# Altium PCB VOU_SOM_CV_V0.0.1.PcbDoc (part 3 of 4) (continued)
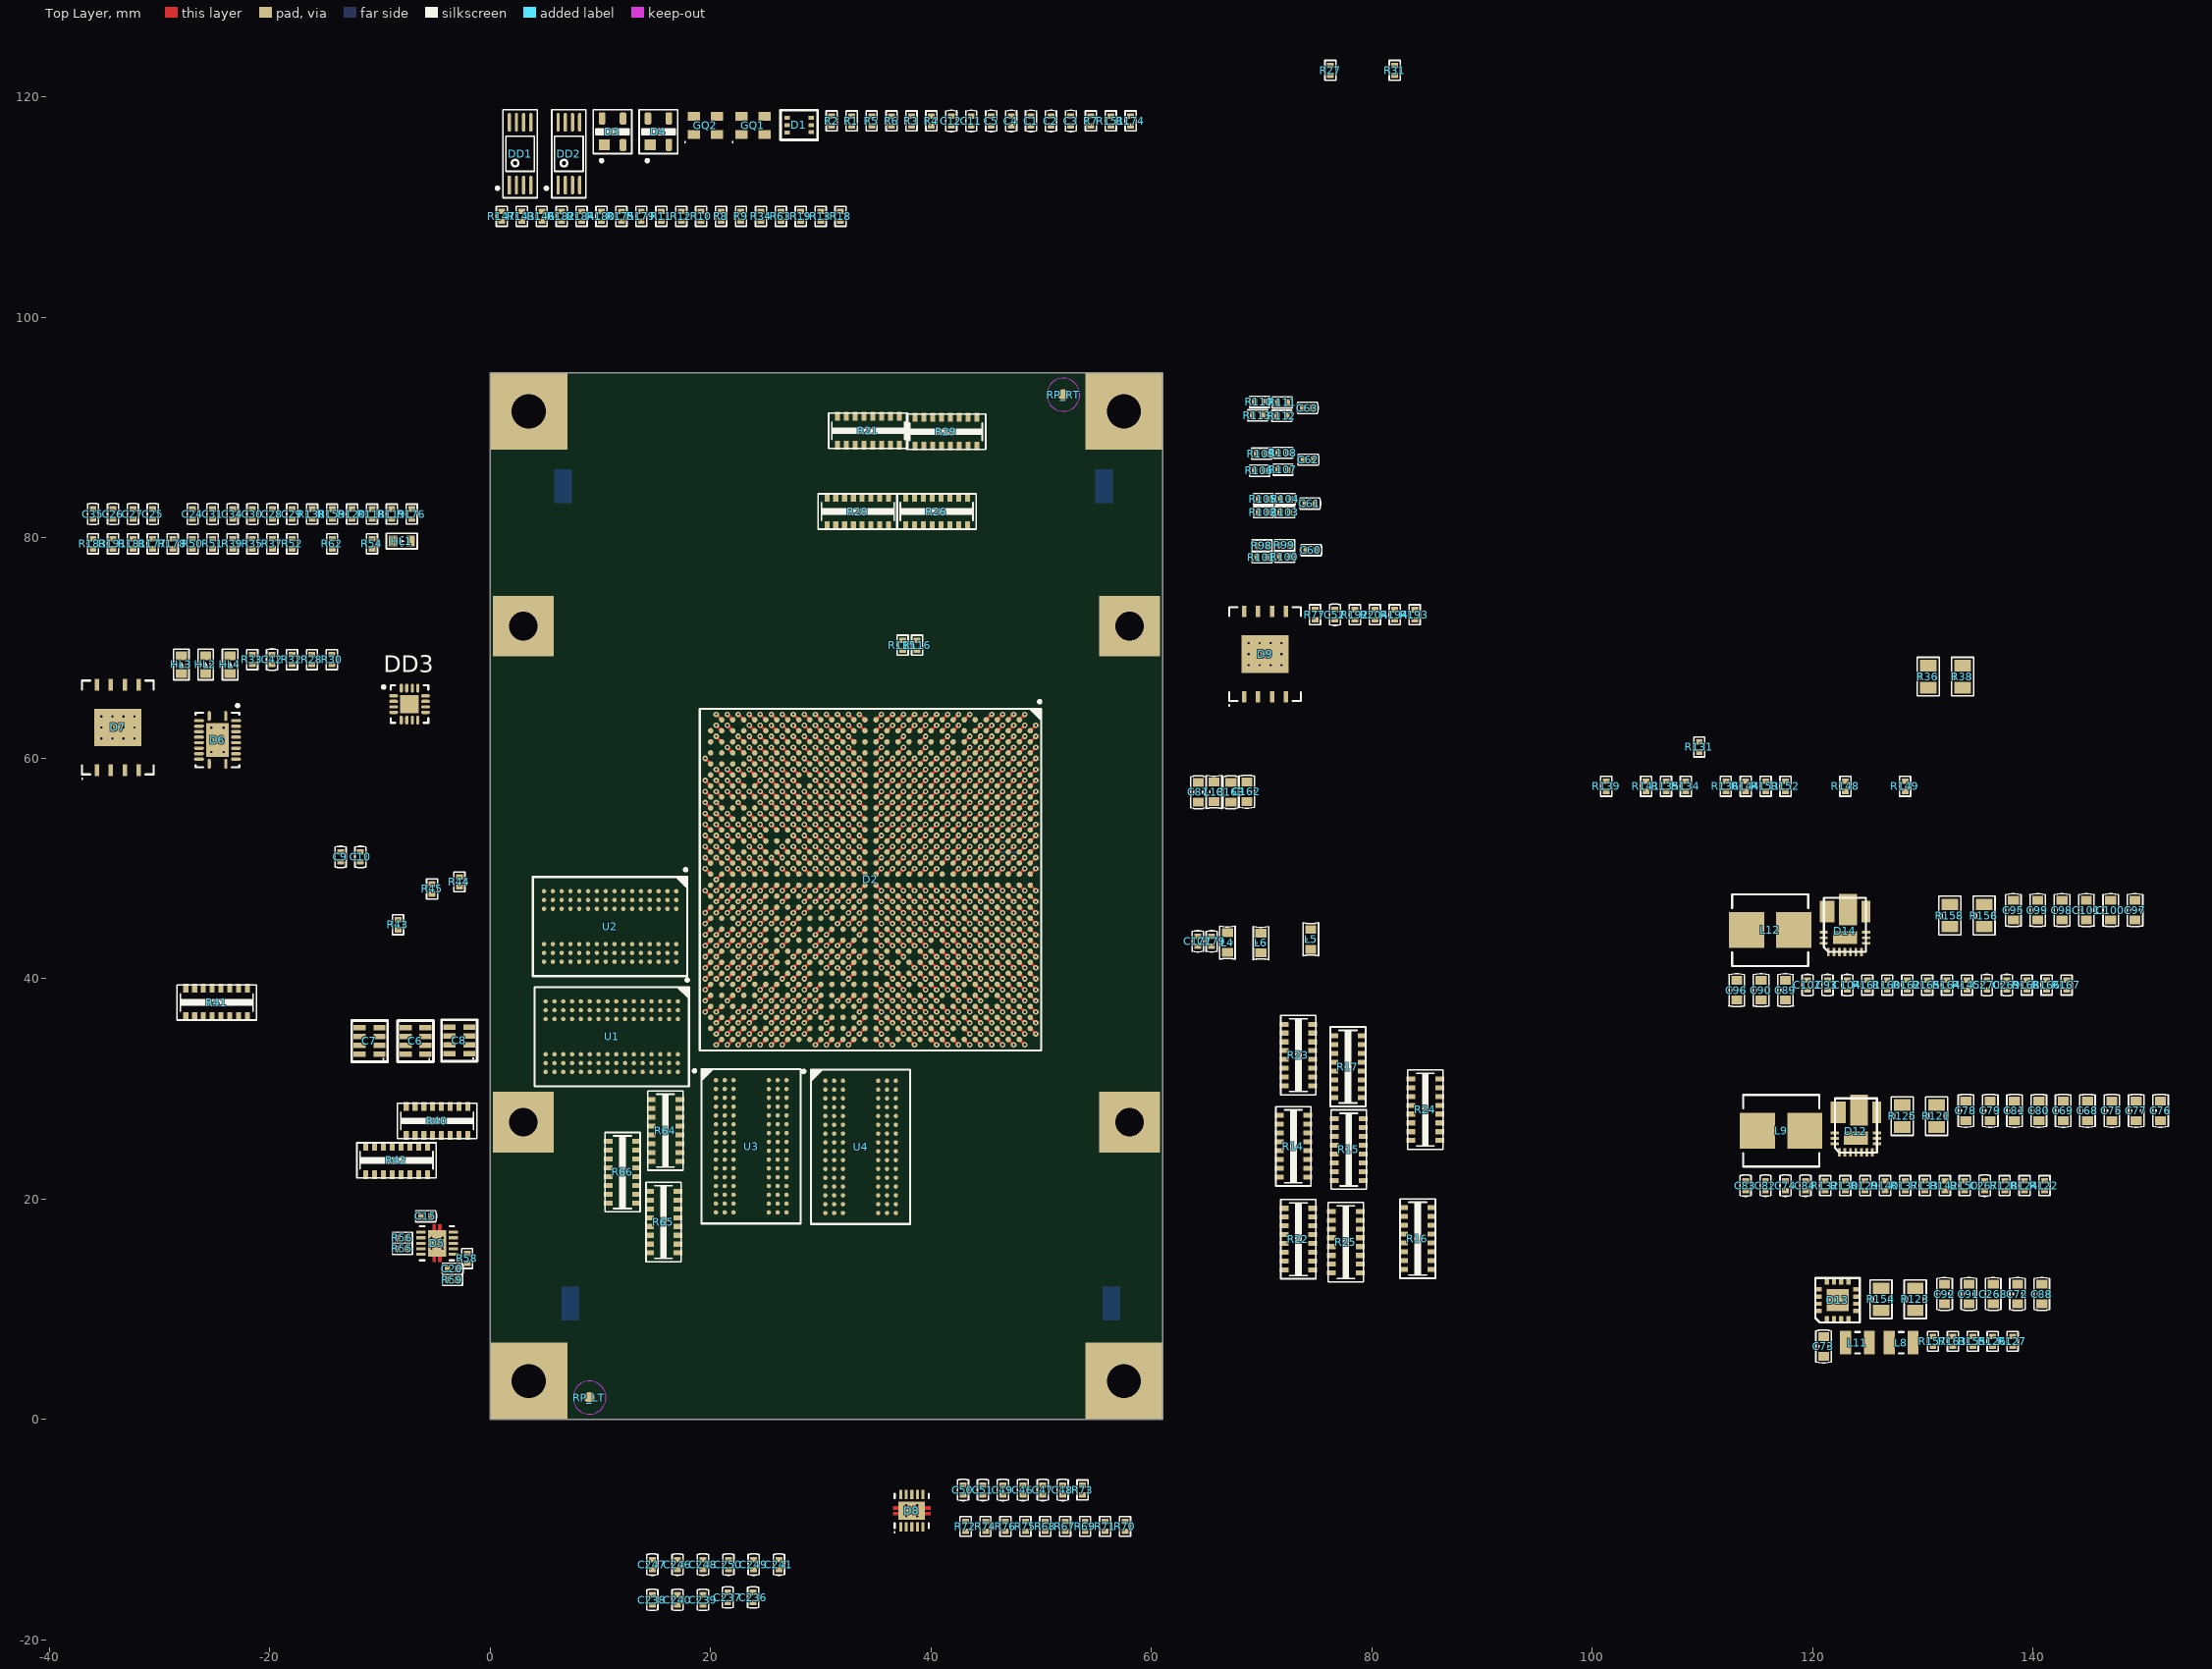
[diagram p0: Top Layer view]
## Nets (pads, with @x,y where several pads share a name; then routed paths per layer and width w, separated by ;. In a path a pad name is that pad's centre, name@x,y a point inside that pad or via, vN(x,y) a via of type N, cw(c..) or ccw(c..) an arc to the next point about the centre after c; other vN are vias at no path point) (continued)
HPS_GPIO4: D2.G17 R25.15 | length 0.7
  Top Layer w0.25: D2.G17@43,47.5 v1(43.5,47)
HPS_GPIO4_R: R25.2 X1.159
HPS_GPIO5: D2.E18 R25.16 | length 0.7
  Top Layer w0.25: D2.E18@45,46.5 v1(45.5,46)
HPS_GPIO5_R: R25.1 X1.148
HPS_GPIO6: D2.E17 R24.9 | length 0.7
  Top Layer w0.25: D2.E17@45,47.5 v1(45.5,47)
HPS_GPIO6_R: R24.8 X1.150
HPS_GPIO7: D2.B26 R24.10 | length 0.7
  Top Layer w0.25: D2.B26@48,38.5 v1(48.5,38)
HPS_GPIO7_R: R24.7 X1.152
HPS_GPIO8: D2.E24 R24.11 | length 0.7
  Top Layer w0.25: D2.E24@45,40.5 v1(45.5,40)
HPS_GPIO8_R: R24.6 X1.154
HPS_GPIO9: D2.D24 R24.12 | length 0.7
  Top Layer w0.25: D2.D24@46,40.5 v1(46.5,40)
HPS_GPIO9_R: R24.5 X1.156
HPS_GPIO10: D2.F16 R24.13 | length 0.7
  Top Layer w0.25: D2.F16@44,48.5 v1(44.5,48)
HPS_GPIO10_R: R24.4 X1.158
HPS_GPIO11: D2.B15 R24.14 | length 0.7
  Top Layer w0.25: D2.B15@48,49.5 v1(48.5,50)
HPS_GPIO11_R: R24.3 X1.160
HPS_I2C0_CL: D2.E23 R16.16 | length 0.7
  Top Layer w0.25: D2.E23@45,41.5 v1(45.5,41)
HPS_I2C0_CL_R: R16.1 X1.69
HPS_I2C0_DA: D2.C24 R16.15 | length 0.7
  Top Layer w0.25: D2.C24@47,40.5 v1(47.5,40)
HPS_I2C0_DA_R: R16.2 X1.67
HPS_I2C1_CL: D2.H23 R22.16 | length 0.7
  Top Layer w0.25: D2.H23@42,41.5 v1(42.5,41)
HPS_I2C1_CL_R: R22.1 X1.70
HPS_I2C1_DA: D2.A25 R22.15 | length 0.7
  Top Layer w0.25: D2.A25@49,39.5 v1(49.5,39)
HPS_I2C1_DA_R: R22.2 X1.68
HPS_JTAG_TCK: D2.H22 X1.110 | length 0.7
  Top Layer w0.25: D2.H22@42,42.5 v1(42.5,42)
HPS_JTAG_TDI: D2.B27 R193.2 X1.114 | length 0.7
  Top Layer w0.25: D2.B27@48,37.5 v1(48.5,37)
HPS_JTAG_TDO: D2.B28 X1.112 | length 0.7
  Top Layer w0.25: D2.B28@48,36.5 v1(48.5,36)
HPS_JTAG_TMS: D2.A29 R192.2 X1.108 | length 0.7
  Top Layer w0.25: D2.A29@49,35.5 v1(49.5,35)
HPS_SD_CLK: D2.A16 R14.14 | length 0.7
  Top Layer w0.25: D2.A16@49,48.5 v1(49.5,48)
HPS_SD_CLK_R: R14.3 X1.61
HPS_SD_CMD: D2.F18 R14.13 | length 0.7
  Top Layer w0.25: D2.F18@44,46.5 v1(44.5,46)
HPS_SD_CMD_R: R14.4 X1.59
HPS_SD_D0: D2.G18 R14.9 | length 0.7
  Top Layer w0.25: D2.G18@43,46.5 v1(43.5,46)
HPS_SD_D0_R: R14.8 X1.51
HPS_SD_D1: D2.C17 R14.10 | length 0.7
  Top Layer w0.25: D2.C17@47,47.5 v1(47.5,47)
HPS_SD_D1_R: R14.7 X1.53
HPS_SD_D2: D2.D17 R14.11 | length 0.7
  Top Layer w0.25: D2.D17@46,47.5 v1(46.5,47)
HPS_SD_D2_R: R14.6 X1.55
HPS_SD_D3: D2.B16 R14.12 | length 0.7
  Top Layer w0.25: D2.B16@48,48.5 v1(48.5,48)
HPS_SD_D3_R: R14.5 X1.57
HPS_SPI_CS#_R: R16.6 X1.56
HPS_SPI_MISO: D2.B23 R16.12 | length 0.7
  Top Layer w0.25: D2.B23@48,41.5 v1(48.5,41)
HPS_SPI_MISO_R: R16.5 X1.58
HPS_SPI_MOSI: D2.C22 R16.13 | length 0.7
  Top Layer w0.25: D2.C22@47,42.5 v1(47.5,42)
HPS_SPI_MOSI_R: R16.4 X1.60
HPS_SPI_SCK: D2.A23 R16.14 | length 0.7
  Top Layer w0.25: D2.A23@49,41.5 v1(49.5,41)
HPS_SPI_SCK_R: R16.3 X1.62
HPS_UART0_RX: D2.B25 R14.16 | length 0.7
  Top Layer w0.25: D2.B25@48,39.5 v1(48.5,39)
HPS_UART0_RX_R: R14.1 X1.65
HPS_UART0_TX: D2.C25 R14.15 | length 0.7
  Top Layer w0.25: D2.C25@47,39.5 v1(47.5,39)
HPS_UART0_TX_R: R14.2 X1.63
HPS_UART1_RX: D2.C23 R16.10 | length 0.7
  Top Layer w0.25: D2.C23@47,41.5 v1(47.5,41)
HPS_UART1_RX_R: R16.7 X1.54
HPS_UART1_TX: D2.D22 R16.9 | length 0.7
  Top Layer w0.25: D2.D22@46,42.5 v1(46.5,42)
HPS_UART1_TX_R: R16.8 X1.52
HPS_USB_CKO: D2.N16 R23.15 | length 0.7
  Top Layer w0.25: D2.N16@37,48.5 v1(37.5,48)
HPS_USB_CKO_R: R23.2 X1.138
HPS_USB_D0: D2.E16 R17.15 | length 0.7
  Top Layer w0.25: D2.E16@45,48.5 v1(45.5,48)
HPS_USB_D0_R: R17.2 X1.122
HPS_USB_D1: D2.G16 R17.16 | length 0.7
  Top Layer w0.25: D2.G16@43,48.5 v1(43.5,48)
HPS_USB_D1_R: R17.1 X1.124
HPS_USB_D2: D2.D16 R23.9 | length 0.7
  Top Layer w0.25: D2.D16@46,48.5 v1(46.5,48)
HPS_USB_D2_R: R23.8 X1.126
HPS_USB_D3: D2.D14 R23.10 | length 0.7
  Top Layer w0.25: D2.D14@46,50.5 v1(46.5,51)
HPS_USB_D3_R: R23.7 X1.128
HPS_USB_D4: D2.A15 R23.11 | length 0.7
  Top Layer w0.25: D2.A15@49,49.5 v1(49.5,50)
HPS_USB_D4_R: R23.6 X1.130
HPS_USB_D5: D2.C14 R23.12 | length 0.7
  Top Layer w0.25: D2.C14@47,50.5 v1(47.5,51)
HPS_USB_D5_R: R23.5 X1.132
HPS_USB_D6: D2.D15 R23.13 | length 0.7
  Top Layer w0.25: D2.D15@46,49.5 v1(46.5,50)
HPS_USB_D6_R: R23.4 X1.134
HPS_USB_D7: D2.M17 R23.14 | length 0.7
  Top Layer w0.25: D2.M17@38,47.5 v1(38.5,47)
HPS_USB_D7_R: R23.3 X1.136
HPS_USB_DIR: D2.E14 R25.9 | length 0.7
  Top Layer w0.25: D2.E14@45,50.5 v1(45.5,51)
HPS_USB_DIR_R: R25.8 X1.142
HPS_USB_NXT: D2.A14 R25.10 | length 0.7
  Top Layer w0.25: D2.A14@49,50.5 v1(49.5,51)
HPS_USB_NXT_R: R25.7 X1.144
HPS_USB_STP: D2.C15 R23.16 | length 0.7
  Top Layer w0.25: D2.C15@47,49.5 v1(47.5,50)
HPS_USB_STP_R: R23.1 X1.140
HPS_WRST#: D2.C27 R151.2 | length 0.7
  Top Layer w0.25: D2.C27@47,37.5 v1(47.5,37)
INIT_DONE: D2.AD25 R118.2 | length 0.7
  Top Layer w0.25: v1(25.5,39) D2.AD25@26,39.5
LVDS0_CKI_N: D2.Y16 X2.35 | length 0.7
  Top Layer w0.25: v1(29.5,48) D2.Y16@30,48.5
LVDS0_CKI_P: D2.W15 X2.39 | length 0.7
  Top Layer w0.25: v1(30.5,50) D2.W15@31,49.5
LVDS0_CKO: D2.AE29 R43.1 | length 0.7
  Top Layer w0.25: v1(24.5,35) D2.AE29@25,35.5
LVDS0_CKO_N: DD3.10 X2.10
LVDS0_CKO_P: DD3.9 X2.6
LVDS0_RX0_N: D2.AG11 X2.3 | length 0.7
  Top Layer w0.25: v1(22.5,54) D2.AG11@23,53.5
LVDS0_RX0_P: D2.AF11 X2.7 | length 0.7
  Top Layer w0.25: v1(23.5,54) D2.AF11@24,53.5
LVDS0_RX1_N: D2.AB13 X2.11 | length 0.7
  Top Layer w0.25: v1(27.5,52) D2.AB13@28,51.5
LVDS0_RX1_P: D2.AA13 X2.15 | length 0.7
  Top Layer w0.25: v1(28.5,52) D2.AA13@29,51.5
LVDS0_RX2_N: D2.AF13 X2.19 | length 0.7
  Top Layer w0.25: v1(23.5,52) D2.AF13@24,51.5
LVDS0_RX2_P: D2.AE13 X2.23 | length 0.7
  Top Layer w0.25: v1(24.5,52) D2.AE13@25,51.5
LVDS0_RX3_N: D2.AE14 X2.27 | length 0.7
  Top Layer w0.25: v1(24.5,51) D2.AE14@25,50.5
LVDS0_RX3_P: D2.AD14 X2.31 | length 0.7
  Top Layer w0.25: v1(25.5,51) D2.AD14@26,50.5
LVDS0_TX0_N: D2.A8 X2.18 | length 0.7
  Top Layer w0.25: D2.A8@49,56.5 v1(49.5,57)
LVDS0_TX0_P: D2.A9 X2.14 | length 0.7
  Top Layer w0.25: D2.A9@49,55.5 v1(49.5,56)
LVDS0_TX1_N: D2.B8 X2.26 | length 0.7
  Top Layer w0.25: D2.B8@48,56.5 v1(48.5,57)
LVDS0_TX1_P: D2.C8 X2.22 | length 0.7
  Top Layer w0.25: D2.C8@47,56.5 v1(47.5,57)
LVDS0_TX2_N: D2.B7 X2.34 | length 0.7
  Top Layer w0.25: D2.B7@48,57.5 v1(48.5,58)
LVDS0_TX2_P: D2.C7 X2.30 | length 0.7
  Top Layer w0.25: D2.C7@47,57.5 v1(47.5,58)
LVDS0_TX3_N: D2.A5 X2.42 | length 0.7
  Top Layer w0.25: D2.A5@49,59.5 v1(49.5,60)
LVDS0_TX3_P: D2.A6 X2.38 | length 0.7
  Top Layer w0.25: D2.A6@49,58.5 v1(49.5,59)
LVDS1_CKI_N: D2.AB27 X1.39 | length 0.7
  Top Layer w0.25: v1(27.5,37) D2.AB27@28,37.5
LVDS1_CKI_P: D2.AA26 X1.35 | length 0.7
  Top Layer w0.25: v1(28.5,38) D2.AA26@29,38.5
LVDS1_CKO: D2.AD29 R44.1 | length 0.7
  Top Layer w0.25: v1(25.5,35) D2.AD29@26,35.5
LVDS1_CKO_N: DD3.14 X1.38
LVDS1_CKO_P: DD3.13 X1.34
LVDS1_RX0_N: D2.AC27 X1.47 | length 0.7
  Top Layer w0.25: v1(26.5,37) D2.AC27@27,37.5
LVDS1_RX0_P: D2.AD26 X1.43 | length 0.7
  Top Layer w0.25: v1(25.5,38) D2.AD26@26,38.5
LVDS1_RX1_N: D2.Y21 X1.11 | length 0.7
  Top Layer w0.25: v1(29.5,43) D2.Y21@30,43.5
LVDS1_RX1_P: D2.W20 X1.15 | length 0.7
  Top Layer w0.25: v1(30.5,44) D2.W20@31,44.5
LVDS1_RX2_N: D2.AB23 X1.19 | length 0.7
  Top Layer w0.25: v1(27.5,41) D2.AB23@28,41.5
LVDS1_RX2_P: D2.AB22 X1.23 | length 0.7
  Top Layer w0.25: v1(27.5,42) D2.AB22@28,42.5
LVDS1_RX3_N: D2.AB25 X1.27 | length 0.7
  Top Layer w0.25: v1(27.5,39) D2.AB25@28,39.5
LVDS1_RX3_P: D2.AA24 X1.31 | length 0.7
  Top Layer w0.25: v1(28.5,40) D2.AA24@29,40.5
LVDS1_TX0_N: D2.AA28 X1.46 | length 0.7
  Top Layer w0.25: v1(28.5,36) D2.AA28@29,36.5
LVDS1_TX0_P: D2.AB28 X1.42 | length 0.7
  Top Layer w0.25: v1(27.5,36) D2.AB28@28,36.5
LVDS1_TX1_N: D2.AC30 X1.30 | length 0.7
  Top Layer w0.25: v1(26.5,34) D2.AC30@27,34.5
LVDS1_TX1_P: D2.AD30 X1.26 | length 0.7
  Top Layer w0.25: v1(25.5,34) D2.AD30@26,34.5
LVDS1_TX2_N: D2.AF28 X1.22 | length 0.7
  Top Layer w0.25: v1(23.5,36) D2.AF28@24,36.5
LVDS1_TX2_P: D2.AG28 X1.18 | length 0.7
  Top Layer w0.25: v1(22.5,36) D2.AG28@23,36.5
LVDS1_TX3_N: D2.AG30 X1.14 | length 0.7
  Top Layer w0.25: v1(22.5,34) D2.AG30@23,34.5
LVDS1_TX3_P: D2.AH30 X1.10 | length 0.7
  Top Layer w0.25: v1(21.5,34) D2.AH30@22,34.5
MAIN_POK: R144.2 X1.118
MIPI_CSI-2_A_CK24_2V5: D2.A11 R31.2 | length 0.7
  Top Layer w0.25: D2.A11@49,53.5 v1(49.5,54)
MIPI_CSI-2_A_I2C_CL_2V5: D2.B11 R20.16 | length 0.7
  Top Layer w0.25: D2.B11@48,53.5 v1(48.5,54)
MIPI_CSI-2_A_I2C_CL_R_2V5: R20.1 X2.84
MIPI_CSI-2_A_I2C_DA_2V5: D2.C12 R20.15 | length 0.7
  Top Layer w0.25: D2.C12@47,52.5 v1(47.5,53)
MIPI_CSI-2_A_I2C_DA_R_2V5: R20.2 X2.80
MIPI_CSI-2_B_CK24_2V5: D2.A10 R27.1 | length 0.7
  Top Layer w0.25: D2.A10@49,54.5 v1(49.5,55)
MIPI_CSI-2_B_I2C_CL_2V5: D2.C9 R20.14 | length 0.7
  Top Layer w0.25: D2.C9@47,55.5 v1(47.5,56)
MIPI_CSI-2_B_I2C_CL_R_2V5: R20.3 X2.83
MIPI_CSI-2_B_I2C_DA_2V5: D2.C10 R20.13 | length 0.7
  Top Layer w0.25: D2.C10@47,54.5 v1(47.5,55)
MIPI_CSI-2_B_I2C_DA_R_2V5: R20.4 X2.79
MIPI_CSI_CKA_HS_N: D2.G15 R96.2 R97.2 X2.160 | length 0.7
  Top Layer w0.25: D2.G15@43,49.5 v1(43.5,50)
MIPI_CSI_CKA_HS_P: D2.H15 R94.2 R95.1 X2.164 | length 0.7
  Top Layer w0.25: D2.H15@42,49.5 v1(42.5,50)
MIPI_CSI_CKA_LP_N: D2.G13 R96.1 | length 0.7
  Top Layer w0.25: D2.G13@43,51.5 v1(43.5,52)
MIPI_CSI_CKA_LP_P: D2.H14 R94.1 | length 0.7
  Top Layer w0.25: D2.H14@42,50.5 v1(42.5,51)
MIPI_CSI_CKB_HS_N: D2.J14 R116.2 R117.2 X2.133 | length 0.7
  Top Layer w0.25: D2.J14@41,50.5 v1(41.5,51)
MIPI_CSI_CKB_HS_P: D2.K14 R114.2 R115.1 X2.129 | length 0.7
  Top Layer w0.25: D2.K14@40,50.5 v1(40.5,51)
MIPI_CSI_CKB_LP_N: D2.B5 R117.1 | length 0.7
  Top Layer w0.25: D2.B5@48,59.5 v1(48.5,60)
MIPI_CSI_CKB_LP_P: D2.B6 R114.1 | length 0.7
  Top Layer w0.25: D2.B6@48,58.5 v1(48.5,59)
MIPI_CSI_DA0_HS_N: D2.F14 R80.2 R81.2 X2.128 | length 0.7
  Top Layer w0.25: D2.F14@44,50.5 v1(44.5,51)
MIPI_CSI_DA0_HS_P: D2.F15 R78.2 R79.1 X2.132 | length 0.7
  Top Layer w0.25: D2.F15@44,49.5 v1(44.5,50)
MIPI_CSI_DA0_LP_N: D2.G11 R80.1 | length 0.7
  Top Layer w0.25: D2.G11@43,53.5 v1(43.5,54)
MIPI_CSI_DA0_LP_P: D2.G12 R78.1 | length 0.7
  Top Layer w0.25: D2.G12@43,52.5 v1(43.5,53)
MIPI_CSI_DA1_HS_N: D2.E13 R84.2 R85.2 X2.136 | length 0.7
  Top Layer w0.25: D2.E13@45,51.5 v1(45.5,52)
MIPI_CSI_DA1_HS_P: D2.F13 R82.2 R83.1 X2.140 | length 0.7
  Top Layer w0.25: D2.F13@44,51.5 v1(44.5,52)
MIPI_CSI_DA1_LP_N: D2.F10 R84.1 | length 0.7
  Top Layer w0.25: D2.F10@44,54.5 v1(44.5,55)
MIPI_CSI_DA1_LP_P: D2.G10 R82.1 | length 0.7
  Top Layer w0.25: D2.G10@43,54.5 v1(43.5,55)
MIPI_CSI_DA2_HS_N: D2.D12 R88.2 R89.2 X2.144 | length 1.7
  Top Layer w0.25: D2.D12@46,52.5 v1(46.5,53)
  Bottom Layer w0.1: R88.2@46,52.5 R89.2@47,52.5
MIPI_CSI_DA2_HS_P: D2.E12 R86.2 R87.1 X2.148 | length 1.7
  Top Layer w0.25: D2.E12@45,52.5 v1(45.5,53)
  Bottom Layer w0.1: R87.1@45,51.5 R86.2@45,52.5
MIPI_CSI_DA2_LP_N: D2.E11 R88.1 | length 1.4
  Top Layer w0.25: D2.E11@45,53.5 v1(45.5,54)
  Bottom Layer w0.15: v1(45.5,54) R88.1@46,53.5
MIPI_CSI_DA2_LP_P: D2.F11 R86.1 | length 1.4
  Top Layer w0.25: D2.F11@44,53.5 v1(44.5,54)
  Bottom Layer w0.15: v1(44.5,54) R86.1@45,53.5
MIPI_CSI_DA3_HS_N: D2.B12 R92.2 R93.2 X2.152 | length 0.7
  Top Layer w0.25: D2.B12@48,52.5 v1(48.5,53)
MIPI_CSI_DA3_HS_P: D2.C13 R90.2 R91.1 X2.156 | length 0.7
  Top Layer w0.25: D2.C13@47,51.5 v1(47.5,52)
MIPI_CSI_DA3_LP_N: D2.D10 R92.1 | length 0.7
  Top Layer w0.25: D2.D10@46,54.5 v1(46.5,55)
MIPI_CSI_DA3_LP_P: D2.D11 R90.1 | length 0.7
  Top Layer w0.25: D2.D11@46,53.5 v1(46.5,54)
MIPI_CSI_DB0_HS_N: D2.K8 R100.2 R101.2 X2.141 | length 0.7
  Top Layer w0.25: D2.K8@40,56.5 v1(40.5,57)
MIPI_CSI_DB0_HS_P: D2.K7 R98.2 R99.1 X2.137 | length 0.7
  Top Layer w0.25: D2.K7@40,57.5 v1(40.5,58)
MIPI_CSI_DB0_LP_N: D2.H7 R101.1 | length 0.7
  Top Layer w0.25: D2.H7@42,57.5 v1(42.5,58)
MIPI_CSI_DB0_LP_P: D2.J7 R98.1 | length 0.7
  Top Layer w0.25: D2.J7@41,57.5 v1(41.5,58)
MIPI_CSI_DB1_HS_N: D2.J9 R104.2 R105.2 X2.149 | length 0.7
  Top Layer w0.25: D2.J9@41,55.5 v1(41.5,56)
MIPI_CSI_DB1_HS_P: D2.J10 R102.2 R103.1 X2.145 | length 0.7
  Top Layer w0.25: D2.J10@41,54.5 v1(41.5,55)
MIPI_CSI_DB1_LP_N: D2.G8 R105.1 | length 0.7
  Top Layer w0.25: D2.G8@43,56.5 v1(43.5,57)
MIPI_CSI_DB1_LP_P: D2.H8 R102.1 | length 0.7
  Top Layer w0.25: D2.H8@42,56.5 v1(42.5,57)
MIPI_CSI_DB2_HS_N: D2.J12 R108.2 R109.2 X2.157 | length 0.7
  Top Layer w0.25: D2.J12@41,52.5 v1(41.5,53)
MIPI_CSI_DB2_HS_P: D2.K12 R106.2 R107.1 X2.153 | length 0.7
  Top Layer w0.25: D2.K12@40,52.5 v1(40.5,53)
MIPI_CSI_DB2_LP_N: D2.F8 R109.1 | length 0.7
  Top Layer w0.25: D2.F8@44,56.5 v1(44.5,57)
MIPI_CSI_DB2_LP_P: D2.F9 R106.1 | length 0.7
  Top Layer w0.25: D2.F9@44,55.5 v1(44.5,56)
MIPI_CSI_DB3_HS_N: D2.H12 R112.2 R113.2 X2.165 | length 0.7
  Top Layer w0.25: D2.H12@42,52.5 v1(42.5,53)
MIPI_CSI_DB3_HS_P: D2.H13 R110.2 R111.1 X2.161 | length 0.7
  Top Layer w0.25: D2.H13@42,51.5 v1(42.5,52)
MIPI_CSI_DB3_LP_N: D2.D9 R113.1 | length 0.7
  Top Layer w0.25: D2.D9@46,55.5 v1(46.5,56)
MIPI_CSI_DB3_LP_P: D2.E9 R110.1 | length 0.7
  Top Layer w0.25: D2.E9@45,55.5 v1(45.5,56)
MSEL0: C1.2 C2.1 C3.1 C4.1 C5.2 C11.1 C12.1 D1.2 D2.G6 D2.L7 D2.L8 D3.1 D4.1 DD1.4 DD2.4 GQ1.2 GQ2.2 R180.2 | length 2.1
  Top Layer w0.25: D2.L8@39,56.5 v1(39.5,57) ; D2.L7@39,57.5 v1(39.5,58) ; D2.G6@43,58.5 v1(43.5,59)
MSEL1: D2.K6 R179.1 | length 0.7
  Top Layer w0.25: D2.K6@40,58.5 v1(40.5,59)
MSEL4: D2.L9 R184.1 | length 0.7
  Top Layer w0.25: D2.L9@39,55.5 v1(39.5,56)
N_FPGA_RST_O: D1.1 D2.AE27 R182.1 | length 0.7
  Top Layer w0.25: v1(24.5,37) D2.AE27@25,37.5
N_PERST0: D6.13 X1.107
N_PERST0_2V5: D2.W21 D6.8 | length 0.7
  Top Layer w0.25: v1(30.5,43) D2.W21@31,43.5
N_PERST1: D6.12 X1.119
N_PERST1_2V5: D2.W22 D6.9 | length 0.7
  Top Layer w0.25: v1(30.5,42) D2.W22@31,42.5
N_RST_O: R19.2 R34.2 X1.116
NetC20_1: C20.1 D5.1 R58.2 R59.2
NetC51_1: C51.1 D8.1 R75.2 R76.2
NetC53_2: C53.2 R79.2 R81.1
NetC54_2: C54.2 R83.2 R85.1
NetC55_2: C55.2 R87.2 R89.1 | length 2
  Bottom Layer w0.2: R87.2@46,51.5 R89.1@47,51.5 C55.2@48,51.5
NetC56_2: C56.2 R91.2 R93.1
NetC57_2: C57.2 R95.2 R97.1
NetC60_2: C60.2 R99.2 R100.1
NetC61_2: C61.2 R103.2 R104.1
NetC62_2: C62.2 R107.2 R108.1
NetC63_2: C63.2 R111.2 R112.1
NetC64_2: C64.2 R115.2 R116.1
NetC72_1: C72.1 C73.1 L8.2 R123.1 R126.2
NetC74_1: C74.1 R133.1
NetC74_2: C74.2 C77.1 C78.1 L9.2 R121.1 R125.1 R128.2 R130.2
NetC81_2: C81.2 D12.10 D12.16
NetC82_2: C82.2 D12.6
NetC83_1: C83.1 C84.2 D12.3
NetC83_2: C83.2 R137.2
NetC84_1: C84.1 D12.1 R130.1 R133.2 R137.1 R140.2
NetC91_1: C91.1 C92.1 L11.2 R154.1 R155.2
NetC93_1: C93.1 D14.14
NetC93_2: C93.2 D14.12 L12.1 R145.1
NetC97_1: C97.1 C98.1 C269.2 L12.2 R156.1 R158.1 R160.2 R161.2
NetC101_2: C101.2 D14.10 D14.16
NetC102_2: C102.2 D14.6
NetC104_1: C104.1 D14.1 R161.1 R164.2 R165.1 R166.2
NetC104_2: C104.2 C270.1 D14.3
NetC267_1: C267.1 D12.14
NetC267_2: C267.2 D12.12 L9.1 R129.1
NetC269_1: C269.1 R164.1
NetC270_2: C270.2 R165.2
NetD1_3: D1.3 D3.2 R2.2 R12.1 R143.1
NetD1_4: D1.4 R34.1
NetD1_6: D1.6 R19.1
NetD2_A28: D2.A28 R204.2 | length 0.7
  Top Layer w0.25: D2.A28@49,36.5 v1(49.5,36)
NetD2_AA1: D2.AA1 D2.AA2 R138.2 | length 1.4
  Top Layer w0.25: v1(28.5,63) D2.AA2@29,62.5 ; v1(28.5,64) D2.AA1@29,63.5
NetD2_AC1: D2.AC1 D2.AC2 R28.2 | length 1.4
  Top Layer w0.25: v1(26.5,63) D2.AC2@27,62.5 ; v1(26.5,64) D2.AC1@27,63.5
NetD2_AE1: D2.AE1 D2.AE2 R62.2 | length 1.4
  Top Layer w0.25: v1(24.5,63) D2.AE2@25,62.5 ; v1(24.5,64) D2.AE1@25,63.5
NetD2_AG17: D2.AG17 R57.1 | length 0.7
  Top Layer w0.25: v1(22.5,47) D2.AG17@23,47.5
NetD2_D27: D2.D27 R69.2 | length 0.7
  Top Layer w0.25: D2.D27@46,37.5 v1(46.5,37)
NetD2_F3: D2.F3 R178.1 | length 0.7
  Top Layer w0.25: D2.F3@44,61.5 v1(44.5,62)
NetD2_F4: D2.F4 R120.1 | length 0.7
  Top Layer w0.25: D2.F4@44,60.5 v1(44.5,61)
NetD2_F23: D2.F23 R12.2 | length 0.7
  Top Layer w0.25: D2.F23@44,41.5 v1(44.5,41)
NetD2_F24: D2.F24 R77.2 | length 0.7
  Top Layer w0.25: D2.F24@44,40.5 v1(44.5,40)
NetD2_G1: D2.G1 R159.1 | length 0.7
  Top Layer w0.25: D2.G1@43,63.5 v1(43.5,64)
NetD2_J1: D2.J1 D2.J2 R33.2 | length 1.4
  Top Layer w0.25: D2.J2@41,62.5 v1(41.5,63) ; D2.J1@41,63.5 v1(41.5,64)
NetD2_J5: D2.J5 R181.1 | length 0.7
  Top Layer w0.25: D2.J5@41,59.5 v1(41.5,60)
NetD2_P8: D2.P8 D2.P9 R32.2 | length 1.4
  Top Layer w0.25: D2.P9@36,55.5 v1(36.5,56) ; D2.P8@36,56.5 v1(36.5,57)
NetD2_W1: D2.W1 D2.W2 R30.2 | length 1.4
  Top Layer w0.25: v1(30.5,63) D2.W2@31,62.5 ; v1(30.5,64) D2.W1@31,63.5
NetD3_4: D3.4 R146.2
NetD4_2: D4.2 R18.2 R151.1
NetD4_4: D4.4 R147.2
NetD5_7: D5.7 R56.2
NetD5_9: D5.9 R55.2
NetD6_10: D6.10 R183.2
NetD7_6: D7.6 R191.1
NetD8_7: D8.7 R74.2
NetD8_9: D8.9 R73.2
NetD9_6: D9.6 R194.1
NetD12_2: D12.2 R128.1 R142.2
NetD12_5: D12.5 R132.1
NetD12_7: D12.7 R129.2
NetD12_15: D12.15 R122.2 R124.2
NetD13_5: D13.5 D13.6 L11.1
NetD13_7: D13.7 L8.1
NetD13_12: D13.12 R126.1 R127.2
NetD13_16: D13.16 R155.1 R157.2
NetD14_2: D14.2 R160.1 R167.2
NetD14_5: D14.5 R162.1
NetD14_7: D14.7 R145.2
NetDD1_1: DD1.1 GQ1.3
NetDD1_3: DD1.3 R4.1
NetDD1_5: DD1.5 R6.1
NetDD1_7: DD1.7 R7.1
NetDD1_8: DD1.8 R5.1
NetDD2_1: DD2.1 GQ2.3
NetDD2_3: DD2.3 R9.1
NetDD2_5: DD2.5 R11.1
NetDD2_8: DD2.8 R10.1
NetDD3_2: DD3.2 R45.2
NetDD3_3: DD3.3 R44.2
NetDD3_6: DD3.6 R43.2
NetGQ1_1: GQ1.1 R3.2
NetGQ2_1: GQ2.1 R8.2
NetHL1_1: HL1.1 R50.1
NetHL2_1: HL2.1 R52.1
NetHL3_1: HL3.1 R54.1
NetHL4_1: HL4.1 R119.1
NetR7_2: R7.2 X1.103
NetR11_2: R11.2 X1.99
NetR13_1: R13.1 R147.1 X1.50
NetR27_2: R27.2 X2.81
NetR31_1: R31.1 X2.82
NetR47_1: R47.1 U1.L8
NetR48_1: R48.1 U2.L8
NetR68_1: R68.1 U3.L8
NetR70_1: R70.1 U4.L8
NetR131_1: R131.1 R134.2 R135.1 R136.1 R139.2 R141.1
NetR144_1: R144.1 R148.1 R149.2 R152.2 R153.2
OSC_50_B3B: D2.AF14 R4.2 | length 0.7
  Top Layer w0.25: v1(23.5,51) D2.AF14@24,50.5
OSC_50_B4B: D2.AA16 R5.2 | length 0.7
  Top Layer w0.25: v1(28.5,48) D2.AA16@29,48.5
OSC_50_B5A5B: D2.Y26 R6.2 | length 0.7
  Top Layer w0.25: v1(29.5,38) D2.Y26@30,38.5
PR_DONE: D2.AF5 R37.2 | length 0.7
  Top Layer w0.25: v1(23.5,60) D2.AF5@24,59.5
PR_ERR: D2.AF4 R35.2 | length 0.7
  Top Layer w0.25: v1(23.5,61) D2.AF4@24,60.5
PR_RDY: D2.AG8 R39.2 | length 0.7
  Top Layer w0.25: v1(22.5,57) D2.AG8@23,56.5
RGMI_MDC: D2.B21 R15.16 | length 0.7
  Top Layer w0.25: D2.B21@48,43.5 v1(48.5,43)
RGMI_MDC_R: R15.1 X1.137
RGMI_MDIO: D2.E21 R15.15 | length 0.7
  Top Layer w0.25: D2.E21@45,43.5 v1(45.5,43)
RGMI_MDIO_R: R15.2 X1.135
RGMI_RX_CLK: D2.G20 R17.9 | length 0.7
  Top Layer w0.25: D2.G20@43,44.5 v1(43.5,44)
RGMI_RX_CLK_R: R17.8 X1.139
RGMI_RX_CTL: D2.K17 R17.10 | length 0.7
  Top Layer w0.25: D2.K17@40,47.5 v1(40.5,47)
RGMI_RX_CTL_R: R17.7 X1.141
RGMI_RXD0: D2.A21 R17.11 | length 0.7
  Top Layer w0.25: D2.A21@49,43.5 v1(49.5,43)
RGMI_RXD0_R: R17.6 X1.143
RGMI_RXD1: D2.B20 R17.12 | length 0.7
  Top Layer w0.25: D2.B20@48,44.5 v1(48.5,44)
RGMI_RXD1_R: R17.5 X1.145
RGMI_RXD2: D2.B18 R17.13 | length 0.7
  Top Layer w0.25: D2.B18@48,46.5 v1(48.5,46)
RGMI_RXD2_R: R17.4 X1.147
RGMI_RXD3: D2.D21 R17.14 | length 0.7
  Top Layer w0.25: D2.D21@46,43.5 v1(46.5,43)
RGMI_RXD3_R: R17.3 X1.149
RGMI_TX_CLK: D2.H19 R15.9 | length 0.7
  Top Layer w0.25: D2.H19@42,45.5 v1(42.5,45)
RGMI_TX_CLK_R: R15.8 X1.123
RGMI_TX_CTL: D2.A20 R15.10 | length 0.7
  Top Layer w0.25: D2.A20@49,44.5 v1(49.5,44)
RGMI_TX_CTL_R: R15.7 X1.125
RGMI_TXD0: D2.F20 R15.11 | length 0.7
  Top Layer w0.25: D2.F20@44,44.5 v1(44.5,44)
RGMI_TXD0_R: R15.6 X1.127
RGMI_TXD1: D2.J19 R15.12 | length 0.7
  Top Layer w0.25: D2.J19@41,45.5 v1(41.5,45)
RGMI_TXD1_R: R15.5 X1.129
RGMI_TXD2: D2.F21 R15.13 | length 0.7
  Top Layer w0.25: D2.F21@44,43.5 v1(44.5,43)
RGMI_TXD2_R: R15.4 X1.131
RGMI_TXD3: D2.F19 R15.14 | length 0.7
  Top Layer w0.25: D2.F19@44,45.5 v1(44.5,45)
RGMI_TXD3_R: R15.3 X1.133
TCK: D2.AC5 X1.100 | length 0.7
  Top Layer w0.25: v1(26.5,60) D2.AC5@27,59.5
TDI: D2.U8 R177.2 X1.104 | length 0.7
  Top Layer w0.25: v1(32.5,57) D2.U8@33,56.5
TDO: D2.AB9 X1.102 | length 0.7
  Top Layer w0.25: v1(27.5,56) D2.AB9@28,55.5
TMS: D2.V9 R176.2 X1.98 | length 0.7
  Top Layer w0.25: v1(31.5,56) D2.V9@32,55.5
VCC1P1: C94.1 C99.1 C100.1 C113.2 C114.2 C115.2 C116.2 C117.2 C118.2 C119.2 C120.2 C127.2 C128.2 C129.2 C130.2 C131.2 C132.2 C133.2 C134.2 C146.2 C147.2 C148.2 C149.2 C150.2 C151.2 C152.2 C153.2 C168.1 C169.1 C170.1 C171.1 C172.1 C173.1 C174.1 C180.1 C181.1 C182.1 C183.1 C184.1 C185.1 C186.1 C187.1 C189.1 C190.1 C191.1 C192.1 C193.1 C199.2 C200.2 C201.2 C202.1 C203.1 C204.1 C205.1 C210.2 C211.2 C212.2 C213.2 C214.2 C215.2 C216.2 D2.L16 D2.L18 D2.L20 D2.M9 D2.M11 D2.M13 D2.M15 D2.N10 D2.N12 D2.N14 D2.N20 D2.P11 D2.P13 D2.P15 D2.P17 D2.P19 D2.R10 D2.R12 D2.R14 D2.R16 D2.T11 D2.T13 D2.T17 D2.T19 D2.U10 D2.U12 D2.U14 D2.U16 D2.U18 D2.U21 D2.V11 D2.V13 D2.V15 D2.W10 D2.W12 D2.W14 D2.Y9 D2.Y11 D2.Y13 L2.2 R156.2 R158.2 | length 27.6
  Top Layer w0.25: v1(29.5,52) D2.Y13@30,51.5 ; v1(29.5,54) D2.Y11@30,53.5 ; v1(29.5,56) D2.Y9@30,55.5 ; v1(30.5,51) D2.W14@31,50.5 ; v1(30.5,53) D2.W12@31,52.5 ; v1(30.5,55) D2.W10@31,54.5 ; v1(31.5,50) D2.V15@32,49.5 ; v1(31.5,52) D2.V13@32,51.5 ; v1(31.5,54) D2.V11@32,53.5 ; v1(32.5,43) D2.U21@33,43.5 ; v1(32.5,46) D2.U18@33,46.5 ; v1(32.5,48) D2.U16@33,48.5 ; v1(32.5,51) D2.U14@33,50.5 ; v1(32.5,53) D2.U12@33,52.5 ; v1(32.5,55) D2.U10@33,54.5 ; v1(33.5,45) D2.T19@34,45.5 ; v1(33.5,47) D2.T17@34,47.5 ; v1(33.5,52) D2.T13@34,51.5 ; v1(33.5,54) D2.T11@34,53.5 ; D2.R16@35,48.5 v1(35.5,48) ; D2.R14@35,50.5 v1(35.5,51) ; D2.R12@35,52.5 v1(35.5,53) ; D2.R10@35,54.5 v1(35.5,55) ; D2.P19@36,45.5 v1(36.5,45) ; D2.P17@36,47.5 v1(36.5,47) ; D2.P15@36,49.5 v1(36.5,50) ; D2.P13@36,51.5 v1(36.5,52) ; D2.P11@36,53.5 v1(36.5,54) ; D2.N20@37,44.5 v1(37.5,44) ; D2.N14@37,50.5 v1(37.5,51) ; D2.N12@37,52.5 v1(37.5,53) ; D2.N10@37,54.5 v1(37.5,55) ; D2.M15@38,49.5 v1(38.5,50) ; D2.M13@38,51.5 v1(38.5,52) ; D2.M11@38,53.5 v1(38.5,54) ; D2.M9@38,55.5 v1(38.5,56) ; D2.L20@39,44.5 v1(39.5,44) ; D2.L18@39,46.5 v1(39.5,46) ; D2.L16@39,48.5 v1(39.5,48)
VCC1P5_DDR3: C19.1 C50.1 C107.2 C108.2 C109.2 C110.2 C111.2 C175.1 C194.2 C195.2 C196.2 C197.2 C198.2 C220.2 C221.2 C222.2 C223.2 C224.2 C225.2 C227.1 C228.1 C229.2 C230.2 C231.2 C236.2 C237.2 C238.2 C239.2 C240.2 C241.2 C246.1 C247.1 C248.2 C249.2 C250.2 D2.AA17 D2.AB14 D2.AC21 D2.AD13 D2.AD18 D2.AE15 D2.AE25 D2.AF22 D2.AG19 D2.AH16 D2.AH26 D2.AJ8 D2.AJ13 D2.AJ23 D2.AK10 D2.AK20 D2.D28 D2.G29 D2.H26 D2.K24 D2.K30 D2.L27 D2.M24 D2.N21 D2.P23 D2.P28 D2.R25 D2.T22 D2.U19 D2.V26 D5.2 D8.2 R49.1 R58.1 R71.1 R75.1 R154.2 U1.A1 U1.A8 U1.B2 U1.C1 U1.C9 U1.D2 U1.D9 U1.E9 U1.F1 U1.G7 U1.H2 U1.H9 U1.K2 U1.K8 U1.N1 U1.N9 U1.R1 U1.R9 U2.A1 U2.A8 U2.B2 U2.C1 U2.C9 U2.D2 U2.D9 U2.E9 U2.F1 U2.G7 U2.H2 U2.H9 U2.K2 U2.K8 U2.N1 U2.N9 U2.R1 U2.R9 U3.A1 U3.A8 U3.B2 U3.C1 U3.C9 U3.D2 U3.D9 U3.E9 U3.F1 U3.G7 U3.H2 U3.H9 U3.K2 U3.K8 U3.N1 U3.N9 U3.R1 U3.R9 U4.A1 U4.A8 U4.B2 U4.C1 U4.C9 U4.D2 U4.D9 U4.E9 U4.F1 U4.G7 U4.H2 U4.H9 U4.K2 U4.K8 U4.N1 U4.N9 U4.R1 U4.R9 | length 21.2
  Top Layer w0.25: v1(19.5,44) D2.AK20@20,44.5 ; v1(19.5,55) D2.AK10@20,54.5 ; v1(20.5,41) D2.AJ23@21,41.5 ; v1(20.5,52) D2.AJ13@21,51.5 ; v1(20.5,57) D2.AJ8@21,56.5 ; v1(21.5,38) D2.AH26@22,38.5 ; v1(21.5,48) D2.AH16@22,48.5 ; v1(22.5,45) D2.AG19@23,45.5 ; v1(23.5,42) D2.AF22@24,42.5 ; v1(24.5,39) D2.AE25@25,39.5 ; v1(24.5,50) D2.AE15@25,49.5 ; v1(25.5,46) D2.AD18@26,46.5 ; D2.AD13@26,51.5 v1(26.5,51) ; v1(26.5,43) D2.AC21@27,43.5 ; v1(27.5,51) D2.AB14@28,50.5 ; v1(28.5,47) D2.AA17@29,47.5 ; v1(31.5,38) D2.V26@32,38.5 ; v1(32.5,45) D2.U19@33,45.5 ; v1(33.5,42) D2.T22@34,42.5 ; D2.R25@35,39.5 v1(35.5,39) ; D2.P28@36,36.5 v1(36.5,36) ; D2.P23@36,41.5 v1(36.5,41) ; D2.N21@37,43.5 v1(37.5,43) ; D2.M24@38,40.5 v1(38.5,40) ; D2.L27@39,37.5 v1(39.5,37) ; D2.K30@40,34.5 v1(40.5,34) ; D2.K24@40,40.5 v1(40.5,40) ; D2.H26@42,38.5 v1(42.5,38) ; D2.G29@43,35.5 v1(43.5,35) ; D2.D28@46,36.5 v1(46.5,36)
VCC2P5: C1.1 C2.2 C9.2 C10.2 C34.2 C87.1 C112.1 C121.2 C122.2 C135.2 C136.2 C137.1 C142.2 C143.2 C144.2 C145.2 C154.1 C164.2 C165.2 C166.2 C206.2 C207.2 C259.2 C260.2 C261.2 C262.2 C263.2 C264.2 C265.2 C266.2 D2.A7 D2.AA10 D2.AA27 D2.AB18 D2.AB20 D2.AB24 D2.AC10 D2.AC11 D2.AC13 D2.AC15 D2.AC17 D2.AC19 D2.AD8 D2.AD16 D2.AD28 D2.AE21 D2.AE30 D2.AF7 D2.AG4 D2.AG29 D2.B4 D2.C11 D2.D8 D2.E5 D2.F12 D2.G9 D2.G14 D2.H6 D2.J13 D2.K11 D2.K13 D2.L10 D2.L12 D2.L14 D2.M21 D2.N22 D2.P21 D2.R20 D2.R23 D2.U23 D2.V22 D2.V24 D2.W23 D6.2 DD1.2 DD1.6 DD3.5 GQ1.4 L1.2 L3.2 L4.2 L5.1 L13.2 R3.1 R35.1 R37.1 R38.1 R39.1 R45.1 R50.2 R51.1 R52.2 R54.2 R118.1 R119.2 R120.2 R123.2 R176.1 R177.1 R178.2 R179.2 R181.2 R183.1 R184.2 | length 30.4
  Top Layer w0.25: v1(22.5,35) D2.AG29@23,35.5 ; v1(22.5,61) D2.AG4@23,60.5 ; D2.AF7@24,57.5 v1(24.5,58) ; v1(24.5,34) D2.AE30@25,34.5 ; v1(24.5,43) D2.AE21@25,43.5 ; v1(25.5,36) D2.AD28@26,36.5 ; v1(25.5,48) D2.AD16@26,48.5 ; v1(25.5,57) D2.AD8@26,56.5 ; v1(26.5,45) D2.AC19@27,45.5 ; v1(26.5,47) D2.AC17@27,47.5 ; v1(26.5,50) D2.AC15@27,49.5 ; v1(26.5,52) D2.AC13@27,51.5 ; v1(26.5,54) D2.AC11@27,53.5 ; v1(26.5,55) D2.AC10@27,54.5 ; v1(27.5,40) D2.AB24@28,40.5 ; v1(27.5,44) D2.AB20@28,44.5 ; v1(27.5,46) D2.AB18@28,46.5 ; v1(28.5,37) D2.AA27@29,37.5 ; v1(28.5,55) D2.AA10@29,54.5 ; v1(30.5,41) D2.W23@31,41.5 ; v1(31.5,41) D2.V24@32,40.5 ; v1(31.5,42) D2.V22@32,42.5 ; v1(32.5,41) D2.U23@33,41.5 ; D2.R23@35,41.5 v1(35.5,41) ; D2.R20@35,44.5 v1(35.5,44) ; D2.P21@36,43.5 v1(36.5,43) ; D2.N22@37,42.5 v1(37.5,42) ; D2.M21@38,43.5 v1(38.5,43) ; D2.L14@39,50.5 v1(39.5,51) ; D2.L12@39,52.5 v1(39.5,53) ; D2.L10@39,54.5 v1(39.5,55) ; D2.K13@40,51.5 v1(40.5,52) ; D2.K11@40,53.5 v1(40.5,54) ; D2.J13@41,51.5 v1(41.5,52) ; D2.H6@42,58.5 v1(42.5,59) ; D2.G14@43,50.5 v1(43.5,51) ; D2.G9@43,55.5 v1(43.5,56) ; D2.F12@44,52.5 v1(44.5,53) ; D2.E5@45,59.5 v1(45.5,60) ; D2.D8@46,56.5 v1(46.5,57) ; D2.C11@47,53.5 v1(47.5,54) ; D2.B4@48,60.5 v1(48.5,61) ; D2.A7@49,57.5 v1(49.5,58)
VCC2P5_IO: R38.2 X1.87 X1.88 X1.89 X1.90 X1.91 X1.92 X1.93 X1.94 X2.53 X2.54 X2.63 X2.64 X2.73 X2.74
VCC3P3: C3.2 C4.2 C5.1 C11.2 C12.2 C16.1 C35.2 C42.2 C47.1 C52.2 C79.1 C80.1 C88.1 C208.2 C209.2 C217.2 C218.2 C219.2 C226.2 C251.2 C252.2 C253.2 C254.2 C255.2 C256.2 C257.2 C258.2 C268.1 D1.5 D2.AA23 D2.AB10 D2.D18 D2.E15 D2.E20 D2.F22 D2.G19 D2.H16 D2.H21 D2.J11 D2.J17 D2.K16 D2.K18 D2.K19 D3.3 D4.3 D5.10 D6.19 D7.8 D8.10 D9.8 D13.2 D13.3 D13.9 D13.10 DD2.2 DD2.6 GQ2.4 L6.1 R1.2 R2.1 R8.1 R13.2 R18.1 R36.1 R55.1 R56.1 R63.1 R73.1 R74.1 R77.1 R121.2 R125.2 R131.2 R148.2 R174.1 R175.1 R182.2 R192.1 R193.1 R204.1 | length 9.9
  Top Layer w0.25: v1(27.5,55) D2.AB10@28,54.5 ; v1(28.5,41) D2.AA23@29,41.5 ; D2.K19@40,45.5 v1(40.5,45) ; D2.K18@40,46.5 v1(40.5,46) ; D2.K16@40,48.5 v1(40.5,48) ; D2.J17@41,47.5 v1(41.5,47) ; D2.J11@41,53.5 v1(41.5,54) ; D2.H21@42,43.5 v1(42.5,43) ; D2.H16@42,48.5 v1(42.5,48) ; D2.G19@43,45.5 v1(43.5,45) ; D2.F22@44,42.5 v1(44.5,42) ; D2.E20@45,44.5 v1(45.5,44) ; D2.E15@45,49.5 v1(45.5,50) ; D2.D18@46,46.5 v1(46.5,46)
VCC3P3_IO: R36.2 X1.77 X1.78 X1.79 X1.80 X1.81 X1.82 X1.83 X1.84 X2.2 X2.43 X2.85 X2.168
VCC_BAT: C188.1 D2.H9 X1.111 | length 0.7
  Top Layer w0.25: D2.H9@42,55.5 v1(42.5,56)
VCCA_FPLL_2P5: C155.2 C156.2 C157.2 C158.2 C159.2 C160.2 C161.2 C162.1 C163.1 D2.AA8 D2.K9 D2.N7 D2.R7 D2.V8 D2.Y22 L13.1 | length 4.2
  Top Layer w0.25: v1(28.5,57) D2.AA8@29,56.5 ; v1(29.5,42) D2.Y22@30,42.5 ; v1(31.5,57) D2.V8@32,56.5 ; D2.R7@35,57.5 v1(35.5,58) ; D2.N7@37,57.5 v1(37.5,58) ; D2.K9@40,55.5 v1(40.5,56)
VCCAUX_2P5: C138.2 C139.2 C140.2 C141.2 D2.AB11 D2.AB16 D2.AD22 D2.H10 D2.J16 L3.1 | length 3.5
  Top Layer w0.25: v1(25.5,42) D2.AD22@26,42.5 ; v1(27.5,48) D2.AB16@28,48.5 ; v1(27.5,54) D2.AB11@28,53.5 ; D2.J16@41,48.5 v1(41.5,48) ; D2.H10@42,54.5 v1(42.5,55)
VCCAUX_SH_2P5: C176.2 C177.2 C178.2 C179.2 D2.J21 L4.1 | length 0.7
  Top Layer w0.25: D2.J21@41,43.5 v1(41.5,43)
VCCH_GXBL_2P5: C123.2 C124.2 C125.2 C126.2 D2.AB6 D2.P6 D2.V6 L1.1 | length 2.1
  Top Layer w0.25: v1(27.5,59) D2.AB6@28,58.5 ; v1(31.5,59) D2.V6@32,58.5 ; D2.P6@36,58.5 v1(36.5,59)